# Allegro board PandaX_III_V3.brd (continued)
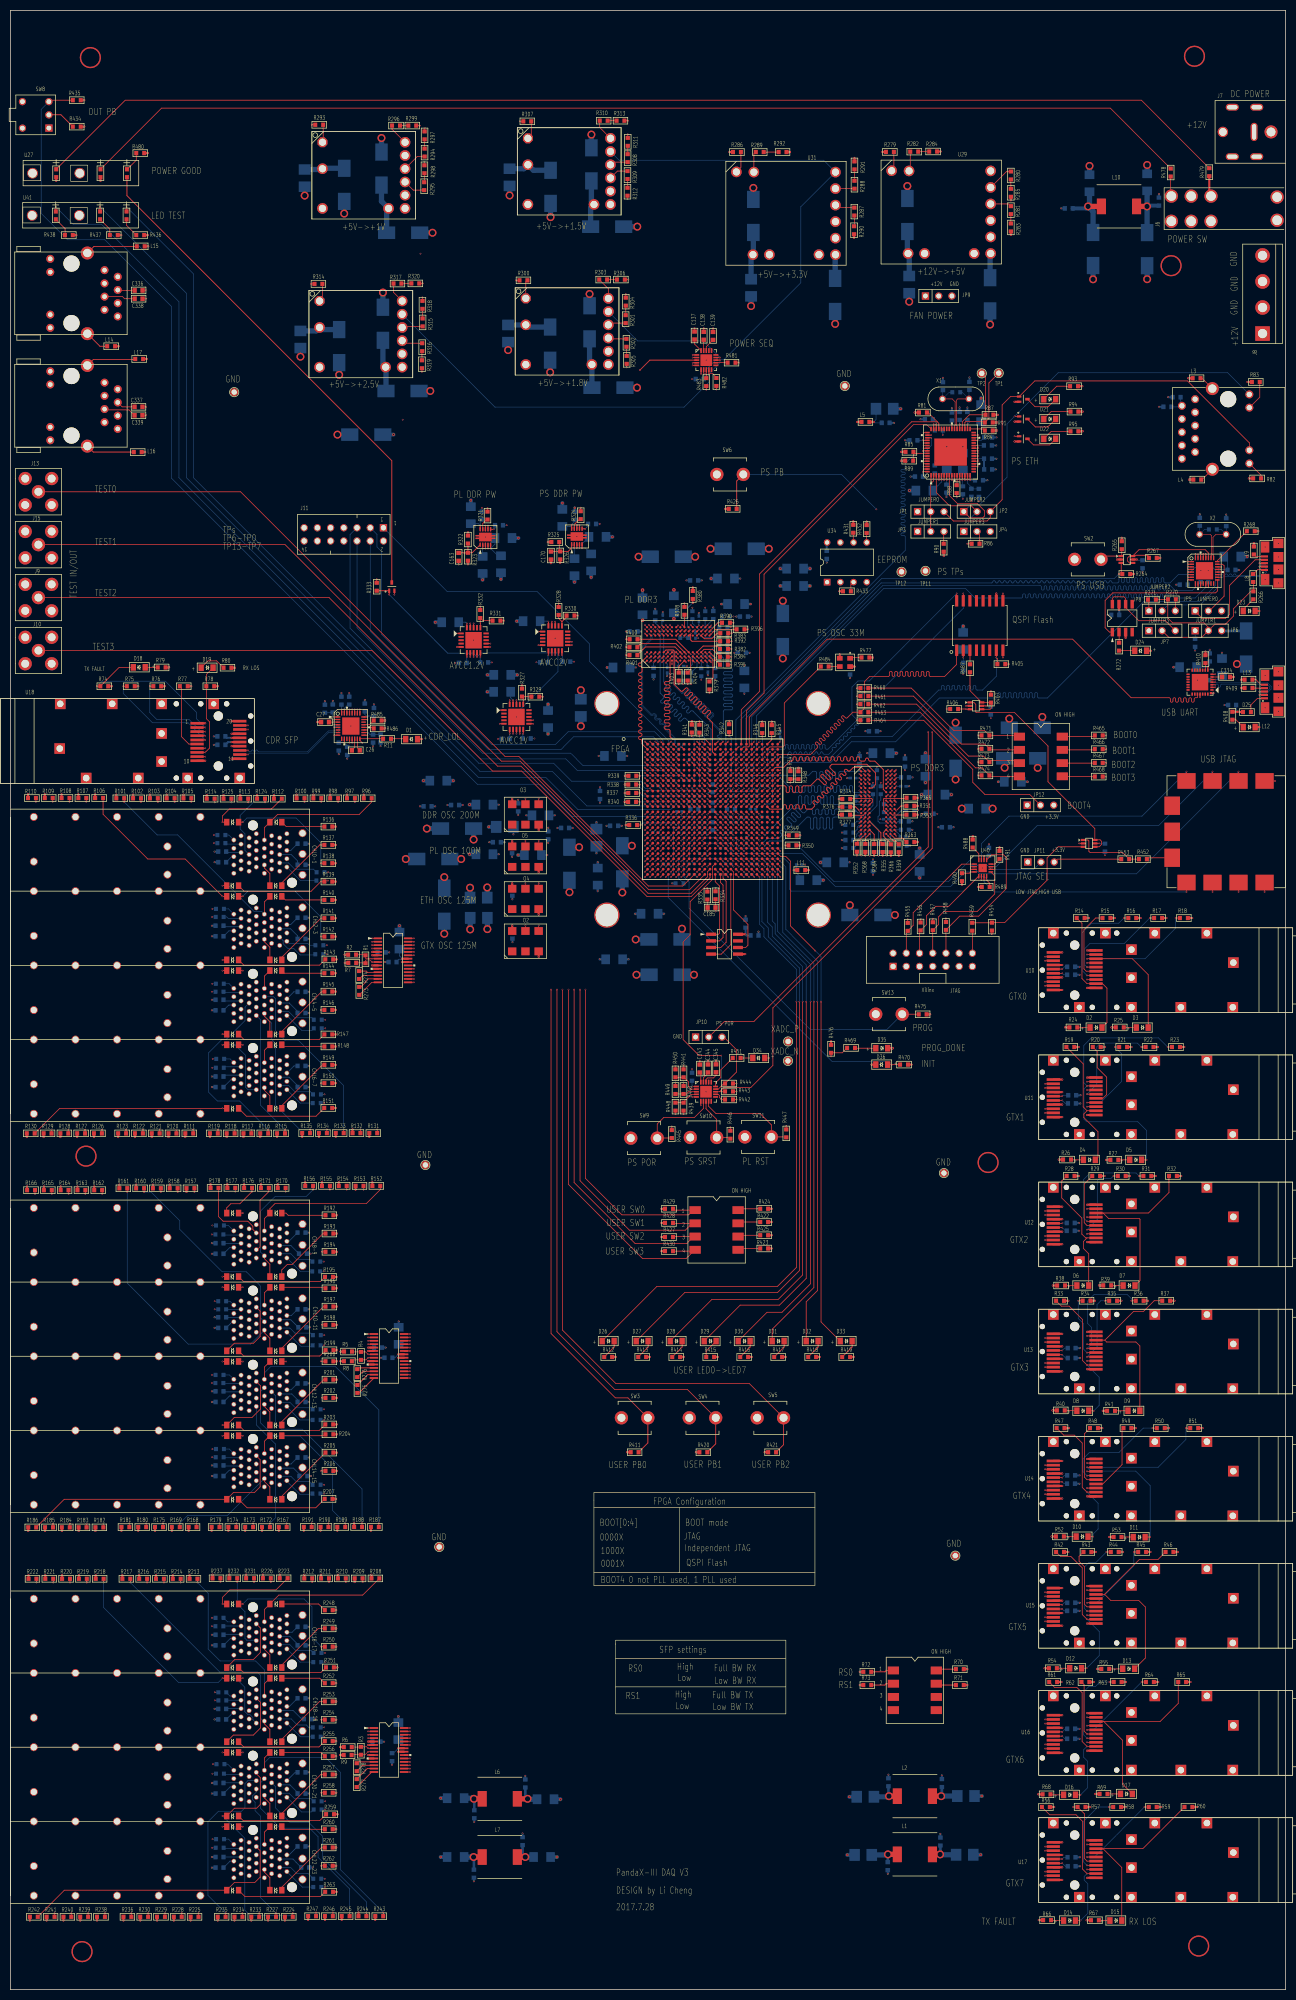
[diagram p0: board, top side]
## Routing (per net, layer and track width the routed paths; a pad name or vN(x,y) marks a point on that pad's centre or on a via; arc(x,y) is an arc through that point) (continued)
UART_USB_TXD: length 99.4
  TOP w0.152: U1.E17 v1(138.93,235.62) ; U35.25 v1(228.57,248.12)
  SIG3 w0.127: v1(138.93,235.62) 139.4,235.15 139.4,233.3 139.6,233.1 153.72,233.1 160.05,239.42 219.96,239.42 228.49,247.95 228.49,248.04 v1(228.57,248.12)
UART_USB_VBUS_5V: length 8.2
  TOP w0.152: U35.8 v1(230.08,253.94) ; U35.7 v1(231.48,252.53)
  TOP w0.381: R408.1 235.94,245.34 v1(235.99,245.29) L12.2
  BOTTOM w0.152: C330.1 230.43,254.29 v1(230.08,253.94) 230.04,253.9 C332.1 ; C331.1 235.51,245.77 v1(235.99,245.29)
ULPI_USB_CLKOUT: length 119.8
  TOP w0.102: U1.K16 v1(137.93,230.62)
  TOP w0.127: U8.1 v1(226.25,274.17)
  SIG2 w0.127: v1(137.93,230.62) 138.42,230.13 144.2,230.13 144.37,230.3 144.37,233.86 144.6,234.09 146.99,234.09 150.88,237.97 159.36,237.97 172.62,251.23 218.52,251.23 225.63,258.34 225.63,268.5 226.9,269.77 226.9,273.61 226.42,274.08 226.33,274.08 v1(226.25,274.17)
ULPI_USB_D_N: length 13.7
  TOP w0.102: J2.2 v1(239.98,273.21) ; U8.19 v1(232.63,271.67)
  BOTTOM w0.102: v1(239.98,273.21) 240.2,273.43 240.87,273.43 241.1,273.2 241.1,272.21 240.43,271.54 235.56,271.54 arc(235.47,271.58) 235.43,271.68 arc(235.39,271.77) 235.3,271.81 235.16,271.81 arc(235.07,271.77) 235.03,271.68 arc(234.99,271.58) 234.9,271.54 234.75,271.54 arc(234.66,271.58) 234.62,271.68 arc(234.58,271.77) 234.49,271.81 234.35,271.81 arc(234.25,271.77) 234.21,271.68 arc(234.18,271.58) 234.08,271.54 233.94,271.54 arc(233.85,271.58) 233.81,271.68 arc(233.77,271.77) 233.68,271.81 233.53,271.81 arc(233.44,271.77) 233.4,271.68 arc(233.36,271.58) 233.27,271.54 233.04,271.54 232.92,271.67 v1(232.63,271.67)
ULPI_USB_D_P: length 13.7
  TOP w0.102: J2.3 v1(239.98,273.86) ; U8.18 v1(232.63,271.17)
  BOTTOM w0.102: v1(239.98,273.86) 239.98,273.81 240.11,273.69 240.97,273.69 241.35,273.31 241.35,272.11 240.53,271.29 233.04,271.29 232.92,271.17 v1(232.63,271.17)
ULPI_USB_DATA0: length 123.3
  TOP w0.102: U1.K17 v1(138.93,230.62)
  TOP w0.127: U8.3 v1(226.25,273.17)
  SIG4 w0.127: v1(138.93,230.62) 139.47,231.17 142.16,231.17 142.47,231.47 142.47,232.67 142.98,233.17 152.07,233.17 158.19,239.29 211.43,239.29 226.39,254.26 226.39,255.9 arc(226.32,256.07) 226.15,256.15 arc(225.98,256.22) 225.91,256.39 225.91,256.41 arc(225.98,256.58) 226.15,256.65 arc(226.32,256.72) 226.39,256.89 226.39,256.92 arc(226.32,257.09) 226.15,257.16 arc(225.98,257.23) 225.91,257.4 225.91,257.43 arc(225.98,257.6) 226.15,257.67 arc(226.32,257.74) 226.39,257.91 226.39,257.94 arc(226.32,258.11) 226.15,258.18 arc(225.98,258.25) 225.91,258.42 225.91,258.44 arc(225.98,258.61) 226.15,258.69 arc(226.32,258.76) 226.39,258.93 226.39,258.95 arc(226.32,259.12) 226.15,259.19 arc(225.98,259.26) 225.91,259.43 225.91,259.46 arc(225.98,259.63) 226.15,259.7 arc(226.32,259.77) 226.39,259.94 226.39,259.97 arc(226.32,260.14) 226.15,260.21 arc(225.98,260.28) 225.91,260.45 225.91,260.48 arc(225.98,260.65) 226.15,260.72 arc(226.32,260.79) 226.39,260.96 226.39,260.98 arc(226.32,261.15) 226.15,261.23 arc(225.98,261.3) 225.91,261.47 225.91,261.49 arc(225.98,261.66) 226.15,261.73 arc(226.32,261.8) 226.39,261.97 226.39,262 arc(226.32,262.17) 226.15,262.24 arc(225.98,262.31) 225.91,262.48 225.91,262.51 arc(225.98,262.68) 226.15,262.75 arc(226.32,262.82) 226.39,262.99 226.39,263.02 arc(226.32,263.19) 226.15,263.26 arc(225.98,263.33) 225.91,263.5 225.91,263.52 arc(225.98,263.69) 226.15,263.77 arc(226.32,263.84) 226.39,264.01 226.39,265.23 226.85,265.69 226.85,272.85 226.53,273.17 v1(226.25,273.17)
ULPI_USB_DATA1: length 119.4
  TOP w0.102: U1.E22 v1(143.93,235.62)
  TOP w0.127: U8.4 v1(226.25,272.67)
  SIG2 w0.127: v1(143.93,235.62) 144.34,235.21 146.28,235.21 146.41,235.33 146.41,236.81 146.86,237.26 147.35,237.26 150.95,240.87 154.84,240.87 159.49,245.52 159.49,248.18 180.72,269.42 211.17,269.42 arc(211.33,269.35) 211.39,269.19 211.39,268.68 arc(211.65,268.43) 211.9,268.68 211.9,269.19 arc(212.16,269.44) 212.41,269.19 212.41,268.68 arc(212.66,268.43) 212.92,268.68 212.92,269.19 arc(213.17,269.44) 213.43,269.19 213.43,268.68 arc(213.68,268.43) 213.93,268.68 213.93,269.19 arc(214.19,269.44) 214.44,269.19 214.44,268.68 arc(214.7,268.43) 214.95,268.68 214.95,269.19 arc(215.2,269.44) 215.46,269.19 215.46,268.68 arc(215.71,268.43) 215.97,268.68 215.97,269.19 arc(216.22,269.44) 216.47,269.19 216.47,268.68 arc(216.73,268.43) 216.98,268.68 216.98,269.19 arc(217.24,269.44) 217.49,269.19 217.49,268.68 arc(217.74,268.43) 218,268.68 218,269.19 arc(218.25,269.44) 218.51,269.19 218.51,268.68 arc(218.76,268.43) 219.01,268.68 219.01,269.19 arc(219.27,269.44) 219.52,269.19 219.52,268.68 arc(219.78,268.43) 220.03,268.68 220.03,269.19 arc(220.28,269.44) 220.54,269.19 220.54,268.68 arc(220.79,268.43) 221.05,268.68 221.05,269.19 arc(221.3,269.44) 221.55,269.19 221.55,268.68 arc(221.81,268.43) 222.06,268.68 222.06,269.19 arc(222.14,269.37) 222.32,269.44 222.93,269.44 226.08,272.59 226.17,272.59 v1(226.25,272.67)
ULPI_USB_DATA2: length 136.4
  TOP w0.102: U1.J16 v1(137.93,231.62)
  TOP w0.127: U8.5 v1(226.25,272.17)
  BOTTOM w0.127: v1(226.25,272.17) 226.73,272.17 227.58,273.03 231.04,273.03 231.52,272.54 231.52,269.57 228.45,266.5 217.75,266.5 199.24,247.98 197.6,247.98 arc(197.42,248.06) 197.35,248.24 197.35,248.79 arc(197.09,249.05) 196.84,248.79 196.84,248.24 arc(196.58,247.98) 196.33,248.24 196.33,248.79 arc(196.08,249.05) 195.82,248.79 195.82,248.24 arc(195.57,247.98) 195.31,248.24 195.31,248.79 arc(195.06,249.05) 194.81,248.79 194.81,248.24 arc(194.55,247.98) 194.3,248.24 194.3,248.79 arc(194.04,249.05) 193.79,248.79 193.79,248.24 arc(193.54,247.98) 193.28,248.24 193.28,248.79 arc(193.03,249.05) 192.77,248.79 192.77,248.24 arc(192.52,247.98) 192.27,248.24 192.27,248.79 arc(192.01,249.05) 191.76,248.79 191.76,248.24 arc(191.5,247.98) 191.25,248.24 191.25,248.79 arc(191,249.05) 190.74,248.79 190.74,248.24 arc(190.49,247.98) 190.23,248.24 190.23,248.79 arc(189.98,249.05) 189.73,248.79 189.73,248.24 arc(189.65,248.06) 189.47,247.98 178.49,247.98 170.08,239.57 161.59,239.57 157.63,235.61 148.89,235.61 148.08,234.8 147.22,234.8 146.41,233.99 146.41,233.53 146,233.12 142.88,233.12 142.57,232.82 142.57,230.66 141.99,230.07 138.73,230.07 138.25,230.56 138.25,231.32 137.95,231.62 v1(137.93,231.62)
ULPI_USB_DATA3: length 130.5
  TOP w0.102: U1.D19 v1(140.93,236.62)
  TOP w0.127: U8.6 v1(226.25,271.67)
  BOTTOM w0.127: v1(226.25,271.67) 224.4,271.67 222.81,270.08 221.88,270.08 arc(221.7,270.15) 221.62,270.33 221.62,270.84 arc(221.37,271.1) 221.12,270.84 221.12,270.33 arc(220.86,270.08) 220.61,270.33 220.61,270.84 arc(220.35,271.1) 220.1,270.84 220.1,270.33 arc(219.85,270.08) 219.59,270.33 219.59,270.84 arc(219.34,271.1) 219.08,270.84 219.08,270.33 arc(218.83,270.08) 218.58,270.33 218.58,270.84 arc(218.32,271.1) 218.07,270.84 218.07,270.33 arc(217.81,270.08) 217.56,270.33 217.56,270.84 arc(217.31,271.1) 217.05,270.84 217.05,270.33 arc(216.8,270.08) 216.54,270.33 216.54,270.84 arc(216.29,271.1) 216.04,270.84 216.04,270.33 arc(215.78,270.08) 215.53,270.33 215.53,270.84 arc(215.27,271.1) 215.02,270.84 215.02,270.33 arc(214.77,270.08) 214.51,270.33 214.51,270.84 arc(214.26,271.1) 214,270.84 214,270.33 arc(213.75,270.08) 213.5,270.33 213.5,270.84 arc(213.24,271.1) 212.99,270.84 212.99,270.33 arc(212.91,270.15) 212.73,270.08 211.82,270.08 arc(211.68,270.14) 211.62,270.28 arc(211.56,270.43) 211.41,270.49 211.31,270.49 arc(211.17,270.43) 211.11,270.28 arc(211.05,270.14) 210.9,270.08 210.8,270.08 arc(210.66,270.14) 210.6,270.28 arc(210.54,270.43) 210.4,270.49 210.3,270.49 arc(210.15,270.43) 210.09,270.28 arc(210.03,270.14) 209.89,270.08 209.79,270.08 arc(209.64,270.14) 209.58,270.28 arc(209.52,270.43) 209.38,270.49 209.28,270.49 arc(209.14,270.43) 209.08,270.28 arc(209.02,270.14) 208.87,270.08 208.77,270.08 arc(208.63,270.14) 208.57,270.28 arc(208.51,270.43) 208.36,270.49 208.26,270.49 arc(208.12,270.43) 208.06,270.28 arc(208,270.14) 207.86,270.08 207.76,270.08 arc(207.61,270.14) 207.55,270.28 arc(207.49,270.43) 207.35,270.49 207.25,270.49 arc(207.1,270.43) 207.04,270.28 arc(206.98,270.14) 206.84,270.08 206.74,270.08 arc(206.6,270.14) 206.54,270.28 arc(206.48,270.43) 206.33,270.49 206.23,270.49 arc(206.09,270.43) 206.03,270.28 arc(205.97,270.14) 205.82,270.08 205.72,270.08 arc(205.58,270.14) 205.52,270.28 arc(205.46,270.43) 205.32,270.49 205.22,270.49 arc(205.07,270.43) 205.01,270.28 arc(204.95,270.14) 204.81,270.08 204.71,270.08 arc(204.56,270.14) 204.5,270.28 arc(204.44,270.43) 204.3,270.49 204.2,270.49 arc(204.06,270.43) 204,270.28 arc(203.94,270.14) 203.79,270.08 203.69,270.08 arc(203.55,270.14) 203.49,270.28 arc(203.43,270.43) 203.28,270.49 203.18,270.49 arc(203.04,270.43) 202.98,270.28 arc(202.92,270.14) 202.78,270.08 202.68,270.08 arc(202.53,270.14) 202.47,270.28 arc(202.41,270.43) 202.27,270.49 202.17,270.49 arc(202.02,270.43) 201.96,270.28 arc(201.9,270.14) 201.76,270.08 201.66,270.08 arc(201.52,270.14) 201.46,270.28 arc(201.4,270.43) 201.25,270.49 201.15,270.49 arc(201.01,270.43) 200.95,270.28 arc(200.89,270.14) 200.74,270.08 200.64,270.08 arc(200.5,270.14) 200.44,270.28 arc(200.38,270.43) 200.24,270.49 200.14,270.49 arc(199.99,270.43) 199.93,270.28 arc(199.87,270.14) 199.73,270.08 199.63,270.08 arc(199.48,270.14) 199.42,270.28 arc(199.36,270.43) 199.22,270.49 199.12,270.49 arc(198.98,270.43) 198.92,270.28 arc(198.86,270.14) 198.71,270.08 198.61,270.08 arc(198.47,270.14) 198.41,270.28 arc(198.35,270.43) 198.2,270.49 198.1,270.49 arc(197.96,270.43) 197.9,270.28 arc(197.84,270.14) 197.7,270.08 197.6,270.08 arc(197.45,270.14) 197.39,270.28 arc(197.33,270.43) 197.19,270.49 197.09,270.49 arc(196.94,270.43) 196.88,270.28 arc(196.82,270.14) 196.68,270.08 196.58,270.08 arc(196.44,270.14) 196.38,270.28 arc(196.32,270.43) 196.17,270.49 196.07,270.49 arc(195.93,270.43) 195.87,270.28 arc(195.81,270.14) 195.66,270.08 195.56,270.08 arc(195.42,270.14) 195.36,270.28 arc(195.3,270.43) 195.16,270.49 195.06,270.49 arc(194.91,270.43) 194.85,270.28 arc(194.79,270.14) 194.65,270.08 194.55,270.08 arc(194.4,270.14) 194.34,270.28 arc(194.28,270.43) 194.14,270.49 194.04,270.49 arc(193.9,270.43) 193.84,270.28 arc(193.78,270.14) 193.63,270.08 193.53,270.08 arc(193.39,270.14) 193.33,270.28 arc(193.27,270.43) 193.12,270.49 193.02,270.49 arc(192.88,270.43) 192.82,270.28 arc(192.76,270.14) 192.62,270.08 192.52,270.08 arc(192.37,270.14) 192.31,270.28 arc(192.25,270.43) 192.11,270.49 192.01,270.49 arc(191.86,270.43) 191.8,270.28 arc(191.74,270.14) 191.6,270.08 191.5,270.08 arc(191.36,270.14) 191.3,270.28 arc(191.24,270.43) 191.09,270.49 190.99,270.49 arc(190.85,270.43) 190.79,270.28 arc(190.73,270.14) 190.58,270.08 190.48,270.08 arc(190.34,270.14) 190.28,270.28 arc(190.22,270.43) 190.08,270.49 189.98,270.49 arc(189.83,270.43) 189.77,270.28 arc(189.71,270.14) 189.57,270.08 189.47,270.08 arc(189.32,270.14) 189.26,270.28 arc(189.2,270.43) 189.06,270.49 188.96,270.49 arc(188.82,270.43) 188.76,270.28 arc(188.7,270.14) 188.55,270.08 167.31,270.08 141.33,244.1 141.33,237.03 140.93,236.64 v1(140.93,236.62)
ULPI_USB_DATA4: length 118
  TOP w0.102: U1.J18 v1(139.93,231.62)
  TOP w0.127: U8.7 v1(226.25,271.17)
  SIG4 w0.127: v1(226.25,271.17) 225.93,271.17 225.37,270.61 225.37,269.83 arc(225.3,269.65) 225.12,269.57 224.84,269.57 arc(224.59,269.32) 224.84,269.07 225.12,269.07 arc(225.37,268.81) 225.12,268.56 224.84,268.56 arc(224.59,268.3) 224.84,268.05 225.12,268.05 arc(225.37,267.8) 225.12,267.54 224.84,267.54 arc(224.59,267.29) 224.84,267.03 225.12,267.03 arc(225.37,266.78) 225.12,266.53 224.84,266.53 arc(224.59,266.27) 224.84,266.02 225.12,266.02 arc(225.3,265.94) 225.37,265.76 225.37,254.79 210.31,239.73 152.88,239.73 147.29,234.14 142.93,234.14 140.92,232.13 140.44,232.13 v1(139.93,231.62)
ULPI_USB_DATA5: length 136.7
  TOP w0.102: U1.D20 v1(141.93,236.62)
  TOP w0.127: U8.9 v1(227.69,269.23)
  BOTTOM w0.127: v1(227.69,269.23) 227.07,268.61 223.82,268.61 222.88,269.55 222.24,269.55 arc(222.06,269.47) 221.99,269.29 221.99,268.94 arc(221.73,268.68) 221.48,268.94 221.48,269.29 arc(221.23,269.55) 220.97,269.29 220.97,268.94 arc(220.72,268.68) 220.46,268.94 220.46,269.29 arc(220.21,269.55) 219.96,269.29 219.96,268.94 arc(219.7,268.68) 219.45,268.94 219.45,269.29 arc(219.19,269.55) 218.94,269.29 218.94,268.94 arc(218.69,268.68) 218.43,268.94 218.43,269.29 arc(218.18,269.55) 217.92,269.29 217.92,268.94 arc(217.67,268.68) 217.42,268.94 217.42,269.29 arc(217.16,269.55) 216.91,269.29 216.91,268.94 arc(216.65,268.68) 216.4,268.94 216.4,269.29 arc(216.15,269.55) 215.89,269.29 215.89,268.94 arc(215.64,268.68) 215.38,268.94 215.38,269.29 arc(215.13,269.55) 214.88,269.29 214.88,268.94 arc(214.62,268.68) 214.37,268.94 214.37,269.29 arc(214.11,269.55) 213.86,269.29 213.86,268.94 arc(213.61,268.68) 213.35,268.94 213.35,269.29 arc(213.1,269.55) 212.84,269.29 212.84,268.94 arc(212.59,268.68) 212.34,268.94 212.34,269.29 arc(212.08,269.55) 211.83,269.29 211.83,268.94 arc(211.57,268.68) 211.32,268.94 211.32,269.29 arc(211.07,269.55) 210.81,269.29 210.81,268.94 arc(210.56,268.68) 210.3,268.94 210.3,269.29 arc(210.05,269.55) 209.8,269.29 209.8,268.94 arc(209.54,268.68) 209.29,268.94 209.29,269.29 arc(209.03,269.55) 208.78,269.29 208.78,268.94 arc(208.53,268.68) 208.27,268.94 208.27,269.29 arc(208.02,269.55) 207.76,269.29 207.76,268.94 arc(207.51,268.68) 207.26,268.94 207.26,269.29 arc(207,269.55) 206.75,269.29 206.75,268.94 arc(206.49,268.68) 206.24,268.94 206.24,269.29 arc(205.99,269.55) 205.73,269.29 205.73,268.94 arc(205.48,268.68) 205.22,268.94 205.22,269.29 arc(204.97,269.55) 204.72,269.29 204.72,268.94 arc(204.46,268.68) 204.21,268.94 204.21,269.29 arc(203.95,269.55) 203.7,269.29 203.7,268.94 arc(203.45,268.68) 203.19,268.94 203.19,269.29 arc(202.94,269.55) 202.68,269.29 202.68,268.94 arc(202.43,268.68) 202.18,268.94 202.18,269.29 arc(201.92,269.55) 201.67,269.29 201.67,268.94 arc(201.41,268.68) 201.16,268.94 201.16,269.29 arc(200.91,269.55) 200.65,269.29 200.65,268.94 arc(200.4,268.68) 200.14,268.94 200.14,269.29 arc(199.89,269.55) 199.64,269.29 199.64,268.94 arc(199.38,268.68) 199.13,268.94 199.13,269.29 arc(198.87,269.55) 198.62,269.29 198.62,268.94 arc(198.37,268.68) 198.11,268.94 198.11,269.29 arc(198.04,269.47) 197.86,269.55 167.59,269.55 142.44,244.4 142.44,237.19 141.93,236.67 v1(141.93,236.62)
ULPI_USB_DATA6: length 117.9
  TOP w0.102: U1.D21 v1(142.93,236.62)
  TOP w0.127: U8.10 v1(228.19,269.23)
  SIG1 w0.127: v1(142.93,236.62) 142.93,236.66 144.24,237.97 147.29,237.97 149.4,240.08 153.19,240.08 159.82,246.71 159.82,247.85 178.97,267.01 213.25,267.01 arc(213.43,267.08) 213.5,267.26 213.5,267.67 arc(213.76,267.92) 214.01,267.67 214.01,267.26 arc(214.26,267.01) 214.52,267.26 214.52,267.67 arc(214.77,267.92) 215.03,267.67 215.03,267.26 arc(215.28,267.01) 215.53,267.26 215.53,267.67 arc(215.79,267.92) 216.04,267.67 216.04,267.26 arc(216.3,267.01) 216.55,267.26 216.55,267.67 arc(216.8,267.92) 217.06,267.67 217.06,267.26 arc(217.31,267.01) 217.57,267.26 217.57,267.67 arc(217.82,267.92) 218.07,267.67 218.07,267.26 arc(218.33,267.01) 218.58,267.26 218.58,267.67 arc(218.84,267.92) 219.09,267.67 219.09,267.26 arc(219.34,267.01) 219.6,267.26 219.6,267.67 arc(219.85,267.92) 220.11,267.67 220.11,267.26 arc(220.36,267.01) 220.61,267.26 220.61,267.67 arc(220.87,267.92) 221.12,267.67 221.12,267.26 arc(221.38,267.01) 221.63,267.26 221.63,267.67 arc(221.88,267.92) 222.14,267.67 222.14,267.26 arc(222.39,267.01) 222.65,267.26 222.65,267.67 arc(222.9,267.92) 223.15,267.67 223.15,267.26 arc(223.41,267.01) 223.66,267.26 223.66,267.67 arc(223.92,267.92) 224.17,267.67 224.17,267.26 arc(224.42,267.01) 224.68,267.26 224.68,267.67 arc(224.93,267.92) 225.19,267.67 225.19,267.26 arc(225.26,267.08) 225.44,267.01 226.44,267.01 228.19,268.76 228.19,269.22 v1(228.19,269.23)
ULPI_USB_DATA7: length 141.1
  TOP w0.102: U1.C21 v1(142.93,237.62)
  TOP w0.127: U8.13 v1(229.69,269.23)
  BOTTOM w0.127: v1(142.93,237.62) 142.93,237.65 143.33,238.05 143.33,244.55 167.79,269.01 183.51,269.01 185.34,267.18 194.26,267.18 arc(194.44,267.26) 194.51,267.44 194.51,267.74 arc(194.76,268) 195.02,267.74 195.02,267.44 arc(195.27,267.18) 195.53,267.44 195.53,267.74 arc(195.78,268) 196.03,267.74 196.03,267.44 arc(196.29,267.18) 196.54,267.44 196.54,267.74 arc(196.8,268) 197.05,267.74 197.05,267.44 arc(197.3,267.18) 197.56,267.44 197.56,267.74 arc(197.81,268) 198.07,267.74 198.07,267.44 arc(198.32,267.18) 198.57,267.44 198.57,267.74 arc(198.83,268) 199.08,267.74 199.08,267.44 arc(199.34,267.18) 199.59,267.44 199.59,267.74 arc(199.84,268) 200.1,267.74 200.1,267.44 arc(200.35,267.18) 200.61,267.44 200.61,267.74 arc(200.86,268) 201.11,267.74 201.11,267.44 arc(201.37,267.18) 201.62,267.44 201.62,267.74 arc(201.88,268) 202.13,267.74 202.13,267.44 arc(202.38,267.18) 202.64,267.44 202.64,267.74 arc(202.89,268) 203.15,267.74 203.15,267.44 arc(203.4,267.18) 203.65,267.44 203.65,267.74 arc(203.91,268) 204.16,267.74 204.16,267.44 arc(204.42,267.18) 204.67,267.44 204.67,267.74 arc(204.92,268) 205.18,267.74 205.18,267.44 arc(205.43,267.18) 205.69,267.44 205.69,267.74 arc(205.94,268) 206.19,267.74 206.19,267.44 arc(206.45,267.18) 206.7,267.44 206.7,267.74 arc(206.96,268) 207.21,267.74 207.21,267.44 arc(207.46,267.18) 207.72,267.44 207.72,267.74 arc(207.97,268) 208.23,267.74 208.23,267.44 arc(208.48,267.18) 208.73,267.44 208.73,267.74 arc(208.99,268) 209.24,267.74 209.24,267.44 arc(209.5,267.18) 209.75,267.44 209.75,267.74 arc(210,268) 210.26,267.74 210.26,267.44 arc(210.51,267.18) 210.77,267.44 210.77,267.74 arc(211.02,268) 211.27,267.74 211.27,267.44 arc(211.53,267.18) 211.78,267.44 211.78,267.74 arc(212.04,268) 212.29,267.74 212.29,267.44 arc(212.54,267.18) 212.8,267.44 212.8,267.74 arc(213.05,268) 213.31,267.74 213.31,267.44 arc(213.56,267.18) 213.81,267.44 213.81,267.74 arc(214.07,268) 214.32,267.74 214.32,267.44 arc(214.58,267.18) 214.83,267.44 214.83,267.74 arc(215.08,268) 215.34,267.74 215.34,267.44 arc(215.59,267.18) 215.85,267.44 215.85,267.74 arc(216.1,268) 216.35,267.74 216.35,267.44 arc(216.61,267.18) 216.86,267.44 216.86,267.74 arc(217.12,268) 217.37,267.74 217.37,267.44 arc(217.62,267.18) 217.88,267.44 217.88,267.74 arc(218.13,268) 218.39,267.74 218.39,267.44 arc(218.64,267.18) 218.89,267.44 218.89,267.74 arc(219.15,268) 219.4,267.74 219.4,267.44 arc(219.66,267.18) 219.91,267.44 219.91,267.74 arc(220.16,268) 220.42,267.74 220.42,267.44 arc(220.67,267.18) 220.93,267.44 220.93,267.74 arc(221.18,268) 221.43,267.74 221.43,267.44 arc(221.69,267.18) 221.94,267.44 221.94,267.74 arc(222.2,268) 222.45,267.74 222.45,267.44 arc(222.7,267.18) 222.96,267.44 222.96,267.74 arc(223.21,268) 223.47,267.74 223.47,267.44 arc(223.54,267.26) 223.72,267.18 227.64,267.18 v1(229.69,269.23)
ULPI_USB_DIR: length 117.2
  TOP w0.102: U1.E20 v1(141.93,235.62)
  TOP w0.127: U8.31 v1(228.19,275.6)
  SIG4 w0.127: v1(228.19,275.6) 228.19,275.28 227.63,274.73 226.32,274.73 arc(226.14,274.8) 226.06,274.98 226.06,275.26 arc(225.81,275.51) 225.56,275.26 225.56,274.98 arc(225.3,274.73) 225.05,274.98 225.05,275.26 arc(224.79,275.51) 224.54,275.26 224.54,274.98 arc(224.29,274.73) 224.03,274.98 224.03,275.26 arc(223.78,275.51) 223.52,275.26 223.52,274.98 arc(223.27,274.73) 223.02,274.98 223.02,275.26 arc(222.76,275.51) 222.51,275.26 222.51,274.98 arc(222.43,274.8) 222.25,274.73 221.92,274.73 215.6,268.4 215.6,254.51 201.32,240.23 152.48,240.23 148.36,236.12 142.44,236.12 141.95,235.62 v1(141.93,235.62)
ULPI_USB_NEXT: length 117.8
  TOP w0.102: U1.E21 v1(142.93,235.62)
  TOP w0.127: U8.2 v1(226.25,273.67)
  SIG2 w0.127: v1(142.93,235.62) 142.96,235.62 143.33,235.99 143.33,243.46 170.21,270.33 211.39,270.33 arc(211.48,270.37) 211.52,270.46 211.52,270.82 arc(211.77,271.07) 212.02,270.82 212.02,270.46 arc(212.28,270.21) 212.53,270.46 212.53,270.82 arc(212.79,271.07) 213.04,270.82 213.04,270.46 arc(213.29,270.21) 213.55,270.46 213.55,270.82 arc(213.8,271.07) 214.06,270.82 214.06,270.46 arc(214.31,270.21) 214.56,270.46 214.56,270.82 arc(214.82,271.07) 215.07,270.82 215.07,270.46 arc(215.33,270.21) 215.58,270.46 215.58,270.82 arc(215.83,271.07) 216.09,270.82 216.09,270.46 arc(216.34,270.21) 216.6,270.46 216.6,270.82 arc(216.85,271.07) 217.1,270.82 217.1,270.46 arc(217.36,270.21) 217.61,270.46 217.61,270.82 arc(217.87,271.07) 218.12,270.82 218.12,270.46 arc(218.37,270.21) 218.63,270.46 218.63,270.82 arc(218.88,271.07) 219.14,270.82 219.14,270.46 arc(219.39,270.21) 219.64,270.46 219.64,270.82 arc(219.9,271.07) 220.15,270.82 220.15,270.46 arc(220.41,270.21) 220.66,270.46 220.66,270.82 arc(220.91,271.07) 221.17,270.82 221.17,270.46 arc(221.24,270.28) 221.42,270.21 222.7,270.21 226.08,273.58 226.17,273.58 v1(226.25,273.67)
ULPI_USB_RESET_B: length 22.5
  TOP w0.127: U7.4 215.63,273.91 215.01,273.91 214.66,274.27 214.66,274.88 215.01,275.23 U7.6 ; U8.27 230.19,275.83 229.57,276.45 216.85,276.45 215.78,275.39
  TOP w0.152: R267.1 218.74,275.13 218.49,275.39 215.78,275.39 U7.6
ULPI_USB_RSTB: length 95.2
  TOP w0.102: U1.D18 v1(139.93,236.62)
  TOP w0.127: U7.3 213.43,271.99 R264.1 v1(212.95,271.78)
  BOTTOM w0.127: v1(212.95,271.78) 212.09,270.92 167.39,270.92 140.36,243.89 140.36,237.05 v1(139.93,236.62)
ULPI_USB_STP: length 122
  TOP w0.102: U1.K19 v1(140.93,230.62)
  TOP w0.127: U8.29 v1(229.19,275.6)
  SIG2 w0.127: v1(140.93,230.62) 140.99,230.62 141.35,230.99 142.1,230.99 142.54,231.43 142.54,246.05 173.2,276.71 216.25,276.71 arc(216.36,276.66) 216.4,276.56 arc(216.45,276.45) 216.56,276.4 216.76,276.4 arc(216.87,276.45) 216.91,276.56 arc(216.96,276.66) 217.06,276.71 217.27,276.71 arc(217.37,276.66) 217.42,276.56 arc(217.46,276.45) 217.57,276.4 217.77,276.4 arc(217.88,276.45) 217.93,276.56 arc(217.97,276.66) 218.08,276.71 218.28,276.71 arc(218.39,276.66) 218.43,276.56 arc(218.48,276.45) 218.59,276.4 218.79,276.4 arc(218.9,276.45) 218.94,276.56 arc(218.99,276.66) 219.1,276.71 219.3,276.71 arc(219.41,276.66) 219.45,276.56 arc(219.5,276.45) 219.6,276.4 219.81,276.4 arc(219.91,276.45) 219.96,276.56 arc(220,276.66) 220.11,276.71 220.31,276.71 arc(220.42,276.66) 220.47,276.56 arc(220.51,276.45) 220.62,276.4 220.82,276.4 arc(220.93,276.45) 220.97,276.56 arc(221.02,276.66) 221.13,276.71 221.33,276.71 arc(221.44,276.66) 221.48,276.56 arc(221.53,276.45) 221.64,276.4 221.84,276.4 arc(221.95,276.45) 221.99,276.56 arc(222.04,276.66) 222.14,276.71 222.35,276.71 arc(222.45,276.66) 222.5,276.56 arc(222.54,276.45) 222.65,276.4 222.85,276.4 arc(222.96,276.45) 223.01,276.56 arc(223.05,276.66) 223.16,276.71 223.36,276.71 arc(223.47,276.66) 223.51,276.56 arc(223.56,276.45) 223.67,276.4 223.87,276.4 arc(223.98,276.45) 224.02,276.56 arc(224.07,276.66) 224.18,276.71 224.38,276.71 arc(224.49,276.66) 224.53,276.56 arc(224.58,276.45) 224.68,276.4 224.89,276.4 arc(224.99,276.45) 225.04,276.56 arc(225.08,276.66) 225.19,276.71 225.39,276.71 arc(225.5,276.66) 225.55,276.56 arc(225.59,276.45) 225.7,276.4 225.9,276.4 arc(226.01,276.45) 226.05,276.56 arc(226.1,276.66) 226.21,276.71 226.41,276.71 arc(226.52,276.66) 226.56,276.56 arc(226.61,276.45) 226.72,276.4 226.92,276.4 arc(227.03,276.45) 227.07,276.56 arc(227.12,276.66) 227.22,276.71 228.63,276.71 229.26,276.07 229.26,275.67 v1(229.19,275.6)
USB3320_XTAL_N: length 10.5
  TOP w0.102: X2.2 230.53,279.4 230.81,279.12 230.81,275.41 230.69,275.29 U8.26
  BOTTOM w0.102: 228.52,279.43 X2.2 ; 228.52,279.43 229.44,280.34 R269.1 ; 228.52,279.43 C130.1
USB3320_XTAL_P: length 10.5
  TOP w0.102: U8.25 231.19,275.29 231.07,275.41 231.07,278.84 231.62,279.4 X2.1
  BOTTOM w0.102: R269.2 232.64,280.34 X2.1 233.6,279.43 C129.1
USB_ID: length 11.5
  TOP w0.127: JP5.2 230.38,264.72 233.2,267.54 233.2,273.38 232.91,273.67 U8.23
USB_JTAG_RSTB: length 13.4
  TOP w0.127: U42.1 207.04,220.72 207.21,220.55 207.21,218.57 207.44,218.34 213.66,218.34 R453.1 R452.1
USB_JTAG_TCK: length 62.5
  TOP w0.127: U40.3 v1(184.51,215.09) ; U39.2 v1(235.98,233.86)
  BOTTOM w0.127: v1(184.51,215.09) 185.39,215.09 186.26,214.22 216.34,214.22 v1(235.98,233.86)
USB_JTAG_TDI: length 52
  TOP w0.127: U40.11 v1(189.13,215.59) ; U39.3 v1(230.98,233.86)
  BOTTOM w0.127: v1(230.98,233.86) 220.59,223.47 197.28,223.47 189.4,215.59 v1(189.13,215.59)
USB_JTAG_TDO: length 42.6
  TOP w0.127: U39.5 v1(225.98,210.75) ; U40.7 v1(187.07,213.03)
  BOTTOM w0.127: v1(225.98,210.75) 189.02,210.75 187.07,212.71 v1(187.07,213.03)
USB_JTAG_TMS: length 50.1
  TOP w0.127: U39.4 v1(225.98,233.86) ; U40.15 v1(186.57,217.65)
  BOTTOM w0.127: v1(225.98,233.86) 217.42,225.3 191.85,225.3 186.57,220.02 v1(186.57,217.65)
USB_VBUS_SEL: length 39.4
  TOP w0.127: JP6.2 230.17,261.57 229.34,262.41 223.32,262.41 222.38,263.35 222.38,266.9 ; JP6.2 228.9,259.64 222.55,259.64 JP7.2 ; JP6.2 231.44,262.18 233.48,262.18 235.03,263.73 235.03,265.15 238.33,268.45 R266.1 238.81,270.23 L8.2 ; R271.1 222.35,266.88 222.38,266.9 ; 222.38,266.9 R270.1
USER_LED0: length 121.8
  TOP w0.102: U1.AF22 v1(143.93,213.62)
  TOP w0.127: D26.1 124.21,135 147.37,135 151.03,138.66 v1(151.03,189.69)